# KiCad board V1.1_version_control_final.kicad_pcb (continued)
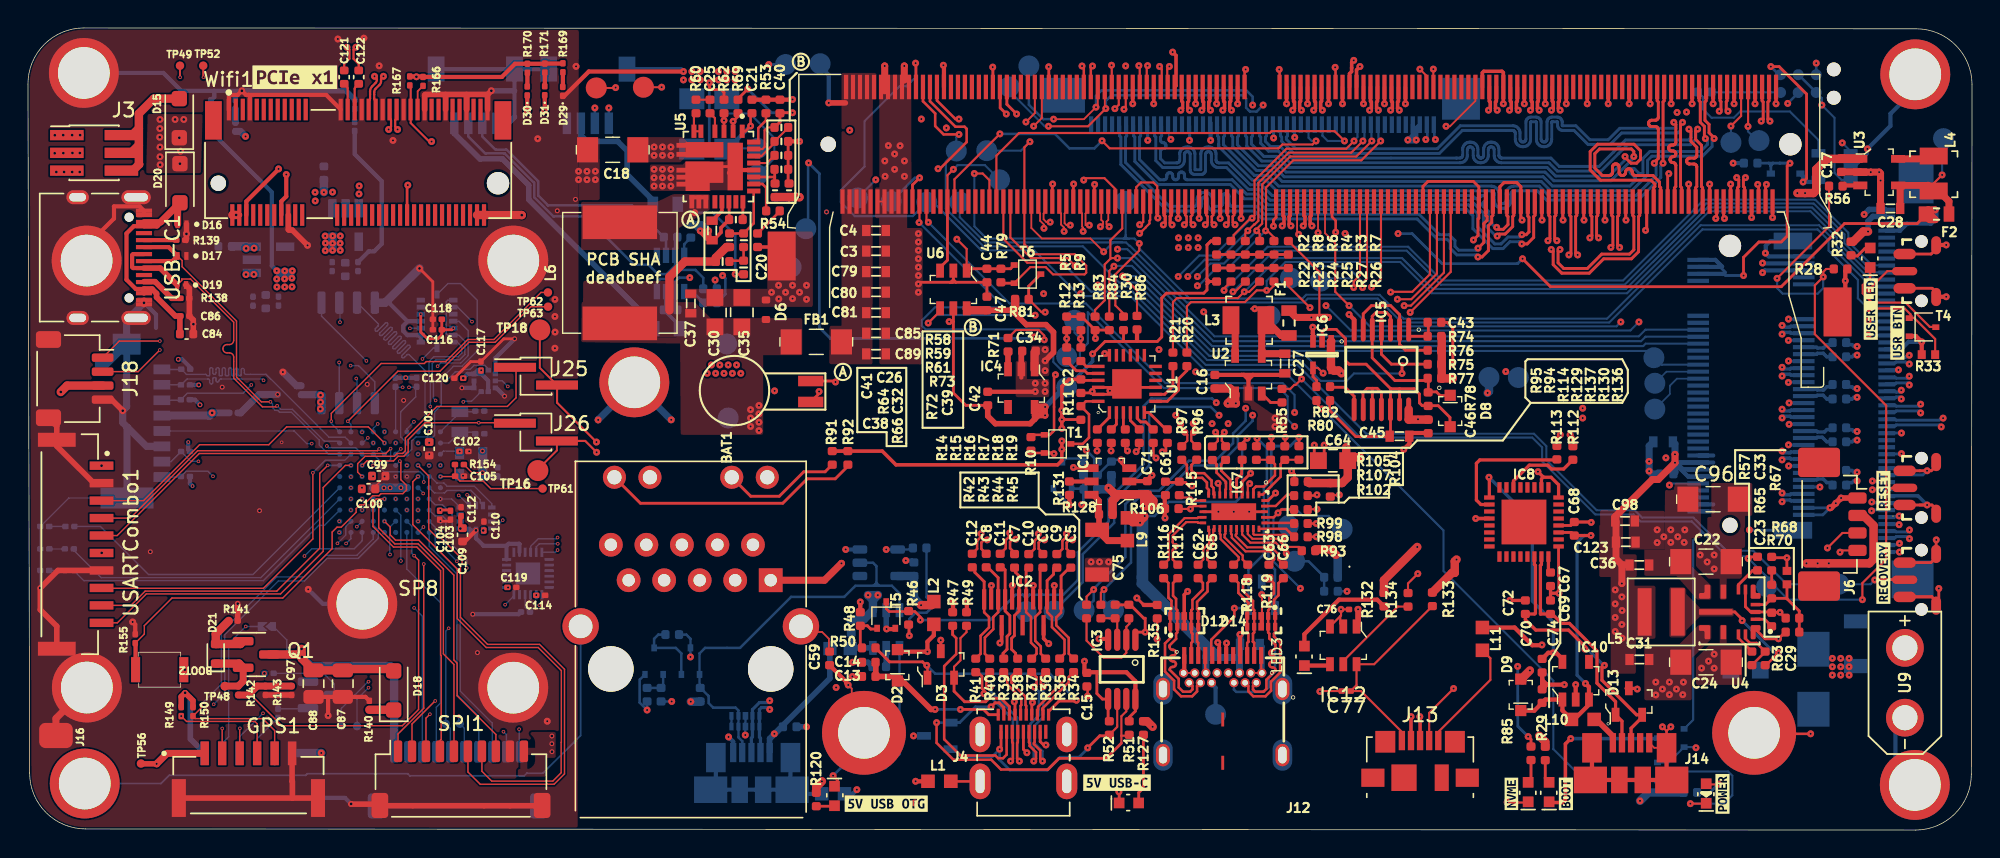
[diagram p0: board, top side]
## Nets (continued)

## Via types
v1: diameter 0.5, hole 0.15, Top to Bottom, 805 vias
v2: diameter 0.5, hole 0.2, Top to Bottom, 44 vias
v3: diameter 0.35, hole 0.2, Top to Bottom, 39 vias
v4: diameter 0.25, hole 0.15, Top to Bottom, 134 vias

## Routing (per net, layer and track width the routed paths; a pad name or vN(x,y) marks a point on that pad's centre or on a via; arc(x,y) is an arc through that point)
1V8_DBG: length 17.9
  Top w0.23: IC8.1 104.49,25.22 v1(104.47,25.25)
  Top w0.3: IC10.5 109.72,12.24 109.27,12.69 v1(109.07,12.69) 108.71,12.69 C72.2
  Bottom w0.23: v1(109.07,12.69) 109.07,14.89 107.57,16.39 107.57,22.15 v1(104.47,25.25)
1V8_SYS: length 95
  Top w0.15: U6.1 67.12,41.59 v1(66.42,42.29)
  Top w0.2: v1(63.02,13.91) 63,13.94 63,14.68 ; 84.99,42.15 84.58,42.15 84.31,41.88 ; 84.31,41.88 84.59,42.16 R2.2 ; 84.31,41.88 84.31,39.45 ; 84.31,39.45 84.31,39.25 ; 84.31,39.45 84.5,39.26 84.64,39.26 ; 84.31,39.25 84.31,39.26 84.64,39.26 ; 84.31,39.25 84.31,39.05 ; v1(76.13,34.08) 77.02,34.97 78.29,34.97 ; R22.2 84.64,39.26 ; 84.64,39.26 84.51,39.26 84.31,39.05 ; 78.29,34.97 78.34,35.02 78.34,35.56 ; 78.29,34.97 80.75,34.97 81.07,35.29 81.07,38.09 81.41,38.43 84.08,38.43 84.31,38.65 84.31,39.05 ; U6.1 67.25,40.17 C44.2 R79.1 70.25,40.17 T6.1 ; U6.5 66.17,36.39 ; 66.17,36.39 66.17,31.29 67.06,30.4 C42.1 ; 66.17,36.39 v1(65.87,36.39)
  Top w0.3: 79.3,35.02 79.3,35.84
  Top w0.4: 71.98,29.7 71.98,30.28 72.13,30.28 v1(72.73,29.68) ; 71.98,29.7 71.98,29.4 ; 71.98,29.7 71.99,29.68 v1(72.73,29.68) ; v1(72.73,29.68) 72.26,29.68 71.98,29.4 ; v1(72.73,29.68) v1(72.73,30.28) ; 71.98,29.4 71.66,29.08 69.18,29.08 68.63,29.63 C42.1
  Top w0.5: 71.98,30.28 v1(72.73,30.28)
  In2.Cu w0.15: v1(66.42,42.29) 66.42,36.94 v1(65.87,36.39)
  In5_3V3_SYS_SIGNAL.Cu w0.5: v1(72.73,29.68) 72.73,28.63 ; 74.42,14.24 63.35,14.24 v1(63.02,13.91) ; 74.42,14.24 75.11,14.24 ; 74.42,14.24 75.03,14.24 75.37,14.58 ; 75.27,14.49 75.37,14.58 ; 75.37,14.58 75.37,21.14 72.73,23.78 72.73,28.63 ; 72.73,28.63 v1(72.73,30.28)
  Bottom w0.18: R111.1 64.25,16.66 64.46,16.45 64.46,15.76 64.26,15.56 63.47,15.56 63.02,15.11 v1(63.02,13.91)
  Bottom w0.25: v1(76.13,34.08) 76.13,33.55 TP37.1
  Bottom w0.4: TP37.1 74.13,31.69 v1(72.73,30.28)
3V3_FFC1: length 35.5
  Top w0.15: R7.2 92.34,39.94 92.34,36.72 v1(92.37,36.69)
  Top w0.5: v1(91.77,36.69) v1(92.97,36.69) ; v1(92.97,36.69) 90.66,36.69 F1.2 ; v1(92.97,36.69) v1(92.37,36.69)
  In2.Cu w0.4: v1(99.27,49.39) 99.15,49.3 ; 93.63,37.36 93.17,36.9
  In2.Cu w0.5: 93.17,36.9 93.63,37.36 93.63,37.84 93.95,38.16 96.26,38.16 96.81,38.71 96.81,40.36 99.06,42.61 99.06,48.82 ; 99.06,48.82 99.06,49.22 v1(99.27,49.39) ; 99.06,48.82 99.06,49 v1(98.67,49.39) 99,49.39 ; 93.47,37.19 92.96,36.69 v1(91.77,36.69)
  Bottom w0.25: v1(99.27,49.39) 99.06,49.62 99.06,50.4
  Bottom w0.3: v1(98.67,49.39) 99.02,49.74 J1.47 ; J1.48 99.27,50.24 v1(99.27,49.39)
  Bottom w0.5: v1(99.27,49.39) v1(98.67,49.39)
3V3_FFC2: length 63.8
  Top w0.15: v1(91.67,37.39) 90.12,38.94 R26.2
  Top w0.2: v1(106.87,40.89) 108.87,38.89 125.37,38.89 129.89,43.41 135.09,43.41 135.67,43.99 136.07,43.99
  Top w0.5: v1(136.37,44.39) 135.88,44.39 ; 135.88,44.39 F2.1 135.98,43.69 v1(136.37,43.69) 135.88,44.18 135.88,44.39
  In2.Cu w0.2: v1(91.67,37.39) 91.67,38.09 96.27,42.69 v1(97.97,42.69)
  Bottom w0.2: v1(106.87,40.89) 106.52,40.54 101.12,40.54 98.97,42.69 v1(97.97,42.69)
  Bottom w0.3: J2.47 133.86,42.9 ; 133.86,42.9 133.86,43.28 133.98,43.4 J2.48 134.36,43.4 ; 133.86,42.9 134.36,43.4 ; 134.36,43.4 136.08,43.4 v1(136.37,43.69)
  Bottom w0.5: v1(136.37,44.39) v1(136.37,43.69)
3V3_SYS: length 205.1
  Top w0.15: v1(85.1,24.82) 85.22,24.69 IC7.8
  Top w0.2: 57.51,27.12 58.63,27.12 ; 74.27,36.74 75.34,36.74 76.3,35.78 77.32,35.78 ; 81.36,24.88 82.76,24.88 83.01,24.63 v1(83.24,24.63) ; 77.74,16.12 78.82,16.12 79.78,15.16 79.89,15.16 v1(79.89,14.17) 79.18,14.17 79.18,13.62 ; R11.1 75.27,29.38 v1(73.93,29.38) ; R85.2 107.47,6.49 v1(107.27,6.69) ; 125.73,14.25 v1(125.17,13.69) 124.2,13.69 U4.1 ; R67.1 125.77,18.56 v1(125.77,19.49) 124.75,19.49 C33.1 124.77,19.55 ; v1(125.99,47.73) 125.79,47.53 125.79,42.51 125.37,42.09 123.77,42.09 122.67,40.99 v1(122.67,39.69) ; U1.21 75.36,32.18 C2.1
  Top w0.25: v1(73.93,27.85) v1(73.93,27.25) 73.93,26.45 73.62,26.14 62.07,26.14 61.09,27.12 R92.1 R91.2 ; v1(73.93,28.75) v1(73.93,29.38) v1(73.93,30.05) 73.93,31.75 74.43,32.25 C2.1 ; R83.2 76.3,35.21 v1(76.33,35.18)
  Top w0.3: R169.2 38.23,54.86 R171.2 36.95,54.84 R170.2 34.83,54.84 33.89,53.9 R166.1 28.21,53.94 27.8,53.94 v2(27.78,53.92) 27.75,53.94 R167.1
  Top w0.4: v2(14.89,44.03) 15.11,44.03 15.12,44.02
  Top w0.5: 113.97,18.99 113.55,19.41 C123.1 113.55,22.07 C98.1 113.5,22.44 116.15,25.09 116.57,25.09 v1(117.77,26.29) v1(117.77,26.89) ; 113.97,18.99 114.5,18.99 C36.1 ; 113.97,18.99 v1(113.97,17.65)
  Top w0.6: Wifi1.72 Wifi1.74 ; 32.62,44.02 35.3,44.02 v2(35.31,44.01) ; v2(14.89,44.03) 14.69,44.03 14.68,44.02 14.62,44.02
  In3_SIGNAL.Cu w0.4: v2(27.78,53.92) 26.18,52.32 21.08,52.32 21.08,51.26 14.89,45.07 v2(14.89,44.03)
  In5_3V3_SYS_SIGNAL.Cu w0.2: v1(125.17,13.69) 125.77,14.29 v1(125.77,19.49) 124.97,20.29 119.07,20.29 116.43,17.65 v1(113.97,17.65) ; v1(106.52,11.71) 106.52,18.14
  In5_3V3_SYS_SIGNAL.Cu w0.6: v2(14.89,44.03) 36.15,44.03 48.74,31.44 v1(53.39,31.44)
  Bottom w0.2: v1(125.99,47.73) 125.26,47.73 125.25,47.73 ; 124.78,47.73 124.62,47.58 124.62,47.54 ; 124.78,47.73 125.25,47.73 ; 124.78,47.73 124.48,47.73 ; 125.25,47.73 125.68,47.73 ; 124.62,47.54 124.62,47.59 124.48,47.73 ; 124.62,47.54 D1.A ; 120.99,40.31 121.37,39.93 121.37,39.69 v1(122.67,39.69) ; v1(107.27,6.69) 106.53,7.43 v1(106.52,11.71) ; 124.48,47.73 C1.2
  Bottom w0.25: F4.1 46.56,36.14 C48.2 45.62,37.4 U7.3
  Bottom w0.3: 119.98,25.29 119.99,25.28 ; J7.16 118.06,26.31 117.96,26.21 118.36,25.81 J7.14 118.2,25.81 117.72,26.29 ; J7.16 120.5,26.31 ; J7.16 117.74,26.31 117.72,26.29 ; J7.74 120.66,40.81 121.14,40.33 121.12,40.31 J7.72 ; J7.70 121.17,39.81 121.19,39.8 ; J7.18 120.5,26.81 ; 120.5,25.31 J7.12 119.29,25.31 119.27,25.29 118.72,25.29 117.72,26.29 ; J7.4 120.5,23.31 ; J7.2 120.5,22.81
  Bottom w0.5: C58.2 117.77,25.6 v1(117.77,26.29) ; C57.2 117.77,27.64 v1(117.77,26.89)
  vias: v1(113.49,17.19) v1(113.49,16.19) v1(113.49,15.21) v1(113.49,14.21) v1(113.97,16.69) v1(113.99,15.72) v1(113.97,14.71) v1(113.99,13.74)
5V0_DBG: length 22.1
  Top w0.2: IC8.19 110.35,21.3 C68.2
  Top w0.23: v1(111.76,21.09) 111.75,21.08 C68.2
  Top w0.3: 106.87,8.55 107.71,8.55 C74.2 108.5,9.34 IC10.1 109.72,8.56 L10.2 110.56,7.92 111.62,8.97 IC10.3 111.62,10.24 v1(111.37,10.49)
  Bottom w0.23: v1(111.76,21.09) 111.27,21.09 110.77,20.59 110.77,11.09 v1(111.37,10.49)
5V0_SYS: length 133.8
  Top w0.2: v1(89.21,24.12) 88.67,23.58 IC7.30
  Top w0.4: 70.28,37.2 70.55,37.2 70.58,37.23 70.58,37.37 70.41,37.2 ; 70.28,37.2 C47.2 ; 70.28,37.2 70.41,37.2 ; 70.41,37.2 70.58,37.03 70.58,36.97 ; v1(72.73,33.58) 73.33,34.19 73.33,35.64 72.79,36.17 71.38,36.17 70.58,36.97 ; 70.58,36.97 70.58,37.47 ; IC12.1 95.11,14.68 v1(95.11,15.8) ; v1(9.2,4.74) 8.1,4.74 TP56.1
  Top w0.5: GPS1.1 9.95,5.49 v1(9.2,4.74)
  Top w0.6: 92.05,20.09 93.13,20.09 v1(93.52,19.7) ; v1(108.06,6.74) 108.49,6.31 108.49,5.96 ; L2.1 64.81,16.39 64.85,16.35 64.6,16.1 v1(63.86,16.1) ; 94.12,26.69 95.24,26.69 ; 94.1,26.38 94.26,26.55 v1(94.26,27.4) ; 94.17,26.31 94.19,26.29 ; IC5.14 98.73,29.38 100.16,29.38 ; v1(101.88,32.33) 101.09,32.33 101.09,35.34 ; IC6.1 93.17,34.96 93.17,33.09 IC6.5 93.38,32.89 93.72,32.89 v1(93.92,32.69) ; C16.1 85.95,31.6 U2.1 ; U2.1 86.32,31.07 v1(85.79,30.54) v1(86.37,30.54) 86.32,30.59 U2.1 ; v2(3.16,49.74) J3.1 v2(2.52,49.74) 2.75,49.74 ; R105.1 91.62,24.84 R104.1 93.97,24.84 94.37,25.24 C64.2 ; J6.2 131.24,22.51 131.97,21.79 131.97,19.39 131.67,19.09 v1(128.77,19.09) v1(127.97,19.09) v1(127.17,19.09) ; v1(107.39,11.42) 106.87,10.9 106.87,10.73 ; v1(131.58,42.84) 131.24,42.84 130.5,42.1 130.36,42.1 ; v2(2.35,31.36) 2.8,31.81 J18.3 ; v1(80.42,7.39) 80.02,7.79 R127.2 ; v1(126.52,45.59) v1(127.07,45.59) 127.67,45.59 127.87,45.79 127.87,47.29 128.62,48.04 U3.1 130.98,48.07 C17.1 ; R81.2 70.58,37.37 ; R64.1 49.95,41.73 49.18,40.96 C38.1 46.97,40.69 45.87,39.59 45.87,37.19 ; C71.1 80.47,23.57 v1(80.47,23.19) ; C71.1 79.82,23.79 v1(79.82,23.19) ; C71.1 80.01,24.03 78.5,24.03 ; v1(80.47,23.19) v1(79.82,23.19) ; v1(80.47,23.19) 80.04,23.62 ; v1(79.82,23.19) 80.04,23.41 80.04,23.92 80.04,23.62 ; 71.98,32.98 71.98,34.2 ; v1(56.77,3.49) 56.37,3.09 56.37,2.67 ; 80.04,23.62 80.04,23.92 ; 77.67,24.09 v1(77.27,24.49) ; 77.67,24.09 77.72,24.04 77.72,23.74 ; 77.67,24.09 77.73,24.03 78.5,24.03 ; 78.5,24.03 78.01,24.03 77.72,23.74 ; 77.72,23.74 77.55,23.57 R128.1 ; R133.1 101.83,18.41 102.02,18.41 102.02,19.23 v1(102.15,19.36) ; R132.2 96.96,17.88 v1(99.34,20.26) ; R72.1 C39.2 55.15,45.3 v1(55.17,45.29) ; U6.6 67.25,37.2 C47.2
  In1.Cu w0.4: v1(15.56,49.65) 13.36,51.84 6.36,51.84 4.26,49.74 v2(3.73,49.74)
  Bottom w0.2: v1(99.95,49.42) 100.06,49.53 100.06,50.4 ; v1(100.64,49.42) 100.56,49.5 100.56,50.4
  Bottom w0.4: v1(131.3,44.06) 131.65,44.42 132.77,44.42 ; v1(131.58,42.84) 131.58,43.58 131.91,43.92 132.77,43.92
  Bottom w0.5: D24.2 15.2,50.01 v1(15.56,49.65)
  Bottom w0.6: v1(60.77,16.81) 60.67,16.81 60.42,16.56 60.17,16.81 v1(60.07,16.81) ; v1(60.77,16.81) 60.42,16.46 ; v1(60.77,16.81) v1(60.07,16.81) ; v1(104.37,31.29) 104.47,31.39 TP41.1 ; 60.42,16.46 v1(60.07,16.81) ; 60.42,16.46 IC9.1 59.75,15.07 R122.1 ; v1(115.27,2.09) 115.87,2.69 R31.2 ; U8.5 C60.2 63.35,16.61 v1(63.86,16.1) ; R108.2 48.05,9.19 v1(47.39,9.19) ; v1(93.52,19.7) 93.65,19.57 R100.2 ; RC1.1 18.89,5.51 20.96,5.51 v1(20.97,5.52) ; R125.2 77.47,24.69 v1(77.27,24.49) 77.17,24.39 R121.2
  vias: v1(51.67,30.09) v1(51.67,29.49) v1(51.67,28.89) v1(52.27,30.39) v1(52.27,29.79) v1(52.27,29.19) v1(52.27,28.59) v1(72.73,34.38) v1(72.73,32.88) v1(95.22,26.69) v1(99.39,29.41) v2(1.91,48.44) v2(1.92,49.73) v2(2.03,47.1) v2(2.53,48.45) v2(2.58,47.1) v2(3.18,48.46) v2(3.16,47.1) v2(3.71,48.46) v2(3.7,47.1) v2(5.26,26.08) v2(5.27,19.84) v3(37.46,6.73) v3(37.46,6.18) v3(37.47,5.61)
/NextPx4/VBUS: length 17.5
  Top w0.3: USB-C1.B4 7.72,38.72 7.04,39.39 7.04,42.7 7.57,43.22 USB-C1.B9
  Top w0.4: C84.1 10.86,36.75 C86.1 10.54,36.79 9.2,38.13 9.2,38.4 8.87,38.72 USB-C1.B4 8.3,38.45 ; 10.7,44.73 D20.2 ; 8.32,43.25 9.22,43.25 9.49,43.52 USB-C1.A4
  Top w0.5: D16.2 10.7,44.73 ; 9.49,43.52 D20.2
/Supply/3V3_EN: length 2
  Top w0.2: 123.58,18.58 123.33,18.58 122.31,17.56 U4.7
/Supply/3V3_FB: length 6.2
  Top w0.2: R70.2 126.65,15.68 125.78,16.55 ; 125.78,16.55 125.75,16.58 R65.2 124.24,16.14 U4.4 ; 125.78,16.55 R67.2
/Supply/3V3_R_C_BOOT: length 3.5
  Top w0.18: R63.2 124.22,12.75 C29.2 123.6,13.39 123.12,13.39 122.81,13.7 U4.14
/Supply/3V3_SW: length 7
  Top w0.18: v1(125.17,12.69) 124.43,11.95 124.22,11.95
  Top w0.2: U4.10 122.05,15.61 122.57,15.09 v1(122.57,14.99)
  Bottom w0.2: v1(125.17,12.69) 124.87,12.69 v1(122.57,14.99)
/Supply/3V3_VCC: length 1.4
  Top w0.2: C23.1 124.18,15.09 U4.2
/Supply/3V3_VIN:
  vias: v1(119.57,19.69) v1(119.67,11.59) v1(120.07,19.19) v1(120.17,12.09) v1(120.57,19.69) v1(120.57,18.69) v1(120.57,12.59) v1(120.57,11.59)
/Supply/5V_BOOT: length 1.4
  Top w0.15: U5.4 49.12,50.95 C25.1
/Supply/5V_COMP: length 2.7
  Top w0.18: R54.1 52.78,45.97 52.52,46.24 51.89,46.24
/Supply/5V_EN: length 9.2
  Top w0.15: R62.1 v1(49.77,50.79) U5.3
  Bottom w0.15: TP32.1 53.37,48.09 53.37,49.53 51.61,51.29 49.92,51.29 49.77,51.14 v1(49.77,50.79)
/Supply/5V_FB: length 5.2
  Top w0.15: R72.2 53.42,46.74 ; 53.42,46.74 52.72,46.74 ; 53.42,46.74 53.42,47.25 R73.1 ; 52.72,46.74 52.83,46.74 ; 52.72,46.74 51.89,46.74
  Top w0.18: R73.1 53.38,46.7 ; 53.38,46.7 53.35,46.74 51.89,46.74 ; 53.38,46.7 53.38,46.31 R72.2
/Supply/5V_FSW: length 1.7
  Top w0.15: 51.89,47.74 52.83,47.74 R61.1
/Supply/5V_ILIM: length 3.4
  Top w0.15: 51.89,48.24 52.44,48.24 53.38,49.18 R59.1 54.35,50.26 R58.1
/Supply/5V_MODE: length 2.6
  Top w0.18: R53.1 52.77,50.79 52.22,50.24 52.22,49.24 51.89,49.24
/Supply/5V_PHASE: length 1.9
  Top w0.15: U5.5 U5.6 47.62,51.15 R60.2
/Supply/5V_SNS: length 2
  Top w0.18: C38.2 50.21,40.75 R66.2 C32.1
/Supply/5V_SS: length 1.3
  Top w0.2: C26.1 51.12,43.7 51.12,44.96
/Supply/5V_SW: length 7
  Top w0.18: R66.1 50.58,39.78 v1(50.57,39.79)
  Bottom w0.18: v1(47.67,44.19) 48.97,44.19 50.57,42.59 v1(50.57,39.79)
/Supply/5V_VIN: length 13
  Top w0.18: C21.1 51.67,51.2 v1(51.67,50.39) 51.29,50.01 U5.1
  Top w0.2: v1(48.72,53.49) 48.72,53.14 48.87,52.99 49.57,52.99 49.77,52.79 R62.2
  Bottom w0.15: FB2.2 50.02,48.79 TP30.1
  Bottom w0.2: v1(48.72,53.49) 48.72,48.89
  Bottom w0.3: v1(51.67,50.39) 50.02,48.74 FB2.2
  vias: v1(44.77,48.89) v1(44.77,48.29) v1(45.37,48.89) v1(45.37,48.29) v1(45.97,48.89) v1(45.97,48.29)
/Supply/VDD_5V_DCDC: length 9.9
  Top w0.15: 51.89,48.74 52.52,48.74 52.67,48.89 52.67,50.09 52.87,50.29 R58.2
  Top w0.2: R58.2 53.77,50.67 C40.1 53.8,51.34 v1(54.67,51.34) ; v1(51.47,53.04) 50.77,52.34 R69.1
  Bottom w0.2: v1(54.67,51.34) 53.17,51.34 v1(51.47,53.04)
GND: length 652
  Top w0.1: C99.1 24.83,24.61 C100.1
  Top w0.125: v1(58.65,10.38) 58.9,10.13 58.9,8.19 60.13,6.96 ; J14.S 116.29,5.89 J14.5 ; M1.250 M1.248 ; v1(90.86,42.64) 90.75,42.75 M1.138 ; 92.25,42.76 M1.132 ; J12.B1 J12.Shell ; J12.B12 J12.Shell
  Top w0.15: 88.22,15.37 88.24,15.38 88.24,16.62 ; J12.A12 88.18,11.29 J12.B1 ; v1(117.47,7.39) 117.17,7.09 J14.S 117.17,7.09 v1(116.87,7.39) ; v1(101.94,10.13) 100.19,8.38 J13.4 ; C77.2 92.41,9.95 v1(92.38,9.92) ; 93.84,15.31 93.84,14.78 IC12.2 ; 93.84,15.31 93.89,15.36 v1(93.89,15.8) 94.45,15.8 C76.2 ; 93.84,15.31 IC12.3 ; v1(99.38,18.35) 98.68,17.65 R134.2
  Top w0.152: M1.176 79.25,46.01 79.59,46.35 80.47,46.35 80.75,46.08 80.75,45.68
  Top w0.18: v1(127.47,6.89) 123.5,6.89 SP4.1 ; T1.2 71.88,26.99 R10.1 ; v1(75.77,9.59) 75.77,10.23 C15.1 ; R107.1 92.12,23.94 v1(92.17,23.99) ; v1(76.99,34.11) 77.11,33.98 U1.18 ; 76.55,18.19 C75.1
  Top w0.2: 82.25,43.78 82.25,43.78 82.25,44.98 ; v1(136.45,20.77) 136.44,20.77 REC1.SH1 136.44,19.51 136.07,19.14 REC1.3 ; M1.102 99.75,44.99 99.75,46.07 100.1,46.42 103.36,46.42 103.75,46.03 103.75,43.79 103.69,43.73 103.69,42.56 v1(103.36,42.23) ; v1(89.06,43.22) 89.06,43.66 89.25,43.85 M1.144 ; M1.32 117.25,47.01 ; 76.13,31.57 76.13,31.44 75.98,31.29 75.29,31.29 ; 76.99,34.09 v1(76.99,34.11) ; 101.88,33.35 101.88,35.93 101.48,36.34 101.09,36.34 ; IC2.2 73.37,17.49 v1(73.39,17.5) ; IC2.5 71.87,17.49 v1(71.89,17.5) ; IC2.8 70.37,17.49 v1(70.39,17.5) ; v1(68.89,17.5) 68.87,17.49 IC2.11 ; 69,53.18 69,54.61 ; IC7.13 IC7.28 ; 73,53.18 73,54.62 v1(72.99,54.63) ; v1(91.98,27.55) 91.98,26.75 92.35,26.38 92.69,26.73 v1(92.69,27.55) ; 98.79,28.16 99.04,28.42 ; RST1.1 v1(135.8,23.27) ; 66.17,39.39 66.17,39.27 66.1,39.2 ; 66.17,39.39 U6.2 ; 66.17,39.39 65.98,39.2 65.93,39.2 ; 66.17,39.39 66.35,39.2 ; 125.68,15.17 125.68,15.17 v1(125.28,15.58) 124.71,15.58 C23.2 124.63,15.61 U4.3 123.18,15.61 122.81,15.99 U4.6 ; U5.9 48.58,47.49 U5.28 ; 66.35,39.2 C44.1 C47.1 ; 66.35,39.2 66.1,39.2 ; C120.2 30.48,32.36 31.66,33.53 C117.1 34.02,35.16 v3(34.8,35.16) ; 65.93,39.2 66.1,39.2 ; 65.93,39.2 63.78,39.2 v1(63.67,39.09) ; RST1.SH2 136.44,22.97 136.14,23.27 135.25,23.27 ; v1(79.29,16.61) 79.78,16.12 79.78,16.12 ; v1(136.63,17.29) 136.63,16.25 REC1.SH2 136.44,16.39 136.13,16.7 ; U1.22 78.33,31.68 U1.25 ; 134.19,16.7 136.13,16.7 ; 136.13,16.7 136.12,16.69 REC1.1 ; v4(29.5,22.11) 30.1,22.11 C103.2 ; U1.25 78.83,31.68 U1.9 ; U1.25 77.83,31.18 U1.23 ; C68.1 110.32,21.8 IC8.20 ; USR1.SH2 136.44,38.49 136.16,38.78 USR1.1 ; v1(109.47,16.95) 109.47,18.17 109.44,18.2 IC8.17 ; C39.1 54.35,46.34 R59.2 ; RST1.SH1 136.44,26.06 136.1,25.72 135.28,25.72 RST1.3 ; BAT1.- 56.57,31.24 v1(56.57,31.39) ; 50.12,44.96 50.13,44.95 C26.2 ; 65.27,12.84 65.27,13.61 ; v1(73.27,46.24) 73.25,46.22 M1.200 ; 30.14,22.11 30.25,22.21 ; USR1.3 136.08,41.23 136.44,41.59 USR1.SH1 ; C116.2 C118.2 28.95,39.24 v2(28,40.2)
  Top w0.22: 108.25,43.68 108.25,44.98 ; 111.25,43.68 111.25,44.98 ; 112.75,43.68 112.75,44.98 ; 114.25,43.68 M1.44 ; v1(109.77,43.66) 109.75,43.68 M1.62 ; 115.75,44.98 115.75,43.01 v1(115.66,42.92) ; M1.26 118.75,46.23 v1(118.75,46.23) ; M1.20 120.25,46.23 ; M1.14 121.75,46.23 ; M1.8 123.25,43.84 v1(123.25,43.84) ; v1(124.75,43.84) 124.75,43.84 M1.2 ; v1(106.84,43.66) 106.75,43.74 106.75,46.05 106.45,46.34 105.55,46.34 105.25,46.04 M1.80
  Top w0.23: v1(107.97,25.65) 108.34,25.28 108.34,25.25 ; v1(115.07,10.09) 115.02,10.14 114.27,10.14 ; C70.1 105.96,16.43 v1(105.96,16.44) ; 108.34,25.25 108.22,25.13 108.22,24.52 ; 108.34,25.25 108.91,25.25 109.44,24.71 IC8.24 ; 108.87,16.95 C69.1 ; 108.87,16.95 C67.1 ; 108.87,16.95 v1(109.47,16.95) ; C68.1 111.75,22.05 v1(111.78,22.02) ; v1(73.36,26.94) 73.31,26.99 T1.2
  Top w0.25: v1(83.75,43.78) 83.75,44.98 ; 85.25,43.78 85.25,44.98 ; 86.75,43.78 86.75,44.98 ; 98.5,51.98 98.5,53.18 ; 97,51.98 97,53.18 ; 95.5,51.98 95.5,53.18 ; 94,51.98 M1.125 ; 93,51.98 M1.129 ; 91.5,51.98 M1.135 ; 90,51.98 M1.141 ; 83.5,51.98 83.5,53.18 ; 85,51.98 M1.153 ; 86.5,51.98 86.5,53.18 ; 79,51.98 79,53.18 ; 80.5,51.98 80.5,53.18 ; 125,51.98 M1.1 ; 123.5,51.98 M1.7 ; 122,51.98 M1.13 ; 120.5,51.98 M1.19 ; 119,51.98 M1.25 ; 117.5,51.98 117.5,53.18 ; 116,51.98 116,53.18 ; 114.5,51.98 114.5,53.18 ; 113,51.98 113,53.18 ; 111.5,51.98 111.5,53.18 ; 110,51.98 110,53.18 ; 108.5,51.98 108.5,53.18 ; 105.5,51.98 105.5,53.18 ; 107,51.98 107,53.18 ; 80.75,43.78 80.75,44.98 ; v1(82.92,17.08) 82.68,16.84 D12.3 ; C20.1 53.25,41.73 53.9,41.08 ; 104,53.18 104,54.21 104.1,54.31 105.4,54.31 105.5,54.21 M1.79 ; IC8.4 v1(103.52,22.3) ; v1(81.85,55.68) 82.09,55.44 82.09,53.28 82,53.18 ; C41.2 48.99,42.21 49.55,42.77 49.55,43.11 C26.2
  Top w0.3: v1(108.26,13.25) 108.23,13.23 107.57,13.23 106.3,14.49 L11.1 ; v1(67.14,16.3) 67.14,15.61 67.11,15.59 ; 59.52,15.59 v1(59.52,16.33) ; v1(61.4,14.4) 61.41,14.38 61.99,14.38 ; 129.4,37.08 129.95,37.64 v1(129.95,39.31) 129.95,40.01 R28.2 ; v1(94.47,36.9) 94.83,36.54 IC5.7 ; R33.2 v1(135.41,34.94) 134.99,35.36 134.61,35.36 ; USR1.SH2 136.46,38.17 v1(137.16,38.17) ; USR1.SH1 136.47,41.88 v1(137.16,41.88) ; 98.79,28.16 98.78,28.16 98.78,27.65 v1(98.38,27.25) ; 81.36,23.92 81.28,23.85 81.28,22.27 ; v1(74.47,23.27) 74.47,23.77 ; 82.68,11.14 J12.A1 ; 88.22,14.6 88.22,15.37 ; v1(76.58,13.68) 77.18,13.68 IC3.4 ; v1(66.14,16.27) 66.14,15.61 66.12,15.59 ; 99.04,28.42 100.16,28.42 ; 80.75,16.11 79.8,16.11 79.78,16.12 ; J14.S 117.17,3.96 J14.S J14.S J14.S J14.S 111.83,3.7 J14.S ; 110.67,9.33 v1(110.67,10.41) ; v1(58.97,12.01) 59.66,12.01 ; v1(58.95,10.99) 59.66,10.99 ; C21.2 C40.2 54.65,52.27 v1(54.67,52.29) ; 11.33,42.14 R139.1 ; R155.1 7.67,14.71 v1(7.49,14.9) ; v1(21.46,8.19) 21.46,9.52 21.47,9.53 ; v1(91.87,35.99) 91.87,35.56 91.89,35.54 IC6.3 ; 15.79,52.62 15.87,52.55 15.87,51.57 ; 15.79,52.62 15.58,52.62 v2(15.29,52.91) 15,52.62 14.44,52.62 14.37,52.55 14.37,51.57 ; 15.79,52.62 21.32,52.62 22.37,51.57 ; C27.2 89.75,32.57 87.58,32.57 ; v1(65.45,54.74) 65.5,54.7 65.5,53.18 ; 51.89,47.24 50.82,47.24 U5.28 50.12,47.04 ; C16.2 86.78,32.57 ; 86.78,32.57 86.95,32.57 87.27,32.26 ; 86.78,32.57 87.58,32.57 ; v1(46.87,54.29) 40.1,54.29 38.36,52.55 D29.1 ; 87.27,32.26 U2.2 ; 87.27,32.26 87.58,32.57 ; 108.6,10.41 108.29,10.41 108.27,10.39 ; 108.6,10.41 v1(109.86,10.41) ; 108.6,10.41 C74.1 108.27,10.39 ; 108.6,10.41 108.55,10.41 108.27,10.69 ; 108.6,10.41 108.27,10.74 108.27,10.89 ; 71.03,32.98 71.03,32.38 ; L1.1 v1(63.47,3.49) ; C72.1 108.27,10.89 ; 108.27,10.89 108.27,10.69 ; 8.3,44.05 USB-C1.A1 7.98,44.64 6.15,44.64 6.15,43.77 4.19,41.81 ; v1(58.65,10.38) 58.5,10.53 58.5,10.62 C59.2 ; C42.2 72.01,31.37 v1(72.03,31.38) ; 21.47,9.53 C88.2 ; 21.47,9.53 C87.2 24.13,9.53 R140.2 ; 108.27,10.69 108.27,10.39 ; 78.51,24.97 C71.2 80.04,25.06 v1(80.37,25.39) ; v3(32.04,21.45) 31.24,20.65 C109.1 ; R59.2 v1(55.17,49.29)
  Top w0.4: 36.77,1.74 25.17,1.74 25.05,1.86 23.12,1.86 v3(23.11,1.87) 23.09,1.86 ; USARTCombo1.2 4.71,24.83 2.06,27.48 USARTCombo1.S1 2.06,28.91 J18.MP ; v2(6.78,30.02) 5.98,30.81 J18.4 ; v2(11.33,42.67) 11.34,42.67 ; v2(11.33,42.67) 11.34,42.67 D16.1 ; v2(11.33,42.67) 11.33,42.31 R139.1 ; USARTCombo1.S2 2.06,14.59 0.88,15.77 v3(0.88,17.32) 2.14,18.58 USARTCombo1.7 ; 32.87,52.65 v2(33.14,52.92) ; 32.87,52.65 32.87,51.57 ; 32.87,52.65 32.86,52.65 31.41,52.65 31.37,52.6 31.37,51.57 31.37,52.59 31.31,52.65 29.91,52.65 29.87,52.6 ; C97.2 17.89,9.67 v3(17.87,9.65) 17.85,9.67 R143.2 ; J6.1 v1(129.64,23.76) 128.94,23.06 v1(128.85,23.06) ; 28.37,51.57 28.37,52.6 28.41,52.65 29.82,52.65 29.87,52.6 ; 18.91,2.29 GPS1.S2 ; 18.91,2.29 GPS1.S1 ; 18.91,2.29 18.91,2.29 18.91,3.48 18.89,3.5 18.89,5.73 ; 18.62,44.02 18.62,42.99 18.66,42.94 18.9,42.94 v1(19.99,41.85) ; 11.31,39.02 D19.1 11.54,38.77 R138.1 C86.2 11.82,36.51 11.82,36.22 v3(11.83,36.21) 11.82,36.2 C84.2 ; 29.87,52.6 29.87,51.57 ; R141.2 v3(15,16.21) ; v1(48.07,42.89) 48.74,42.21 C41.2 48.67,42.46 v1(48.67,42.89) ; 4.19,41.81 SP11.1 ; USB-C1.B1 USB-C1.A12
  Top w0.406: 71.03,32.98 71.03,34.22
  Top w0.5: 62.65,53.68 62.66,53.7 v1(62.66,54.69) ; J16.1 2,7.99 SP12.1 ; C17.2 131,47.1 U3.2 v1(131.77,47.09) v1(132.37,47.09) 132.47,46.99 v1(132.47,46.49) C28.2 ; 61.26,52.91 v1(61.26,54.69) ; v1(58.17,19.09) 56.96,17.88 J10.1
  Bottom w0.1: v3(0.88,17.32) R158.2 0.89,18.59 R157.2 0.88,20.13 R156.2 2.92,23.77 SDCard1.9 ; U24.11 30.3,23.7 v4(29.5,23.7)
  Bottom w0.125: 81.75,49.34 81.57,49.52 81.57,50.43
  Bottom w0.15: T3.2 117.32,4.84 T2.2 119.22,5.94 v1(119.27,5.89) ; TP40.1 106.16,32.39 v1(105.67,32.81)
  Bottom w0.18: C48.1 46.27,37.4 U7.2 46.27,39.25 46.56,39.54 v1(47.32,39.54) ; T9.2 73.32,24.42 v1(74.47,23.27) ; v1(88.22,16.86) 88.22,16.86 D11.3 ; R126.1 76.47,26.39 v1(75.67,27.19) ; v1(51.29,6.8) 51.29,7.39 D10.3 51.3,8.17 ; R101.1 v1(94.32,17.09) ; TP1.5 v1(127.87,54.89) ; T8.2 43.73,10.75 43.73,9.12 v1(44.27,8.59) R109.2
  Bottom w0.2: v1(123.09,21.48) 123.11,21.46 J7.SH1 ; v1(133.96,26.94) 133.94,26.92 132.77,26.92 ; v1(133.96,28.42) 133.96,28.42 132.77,28.42 ; J7.1 128.34,22.56 128.84,23.06 J7.3 ; v1(125.9,26.06) J7.15 ; 125.9,27.56 J7.21 ; v1(125.88,35.05) 125.89,35.06 J7.51 ; 125.9,36.56 J7.57 ; v1(125.89,33.57) 125.9,33.56 J7.45 ; 125.9,32.06 J7.39 ; v1(125.93,30.57) 125.94,30.56 J7.33 ; 125.9,29.06 J7.27 ; J7.9 128.1,24.56 ; v1(135.8,25.72) 135.5,25.42 132.77,25.42 ; D4.3 v1(63.32,6.74) ; IC1.2 130.61,47.48 131.53,48.4 v1(131.53,48.75) ; TP38.1 v1(52.97,54.79)
  Bottom w0.22: 89.06,50.4 89.06,49.54 v1(89.07,49.53) ; 132.77,32.92 133.73,32.92 ; 90.56,49.54 90.56,50.4 ; 80.07,49.53 80.06,49.54 80.06,50.4 ; 83.06,50.4 83.06,49.51 83.06,49.5
  Bottom w0.25: 132.77,23.92 135.14,23.92 v1(135.8,23.27)
  Bottom w0.3: J7.SH2 124.59,42.16 124.26,41.83 124.26,41.32 v1(124.23,41.29) 124.47,41.06 J7.75 ; v1(124.03,39.9) 124.19,40.06 J7.71 ; v1(124.03,40.58) 124.06,40.56 J7.73 ; v1(135.41,34.94) 134.47,34.94 133.95,34.42 132.77,34.42 ; v1(84.57,49.37) 84.56,49.37 84.56,50.6 ; 34.22,20.35 34.37,20.49 35.12,20.49 35.15,20.47 U26.20 ; 34.22,20.35 U26.18 ; 34.22,20.35 32.57,20.35 32.04,20.88 v3(32.04,21.45) U24.7 ; 13.33,52.91 v2(15.29,52.91) 14.83,52.44 R146.1 ; 13.33,52.91 13.33,52.48 R145.1 ; 13.33,52.91 10.96,52.91 9.68,54.19 SP5.1 ; C60.1 63.21,19.29 v1(62.77,19.29) ; U9.P$2 133.53,7.36 133.53,4.62 SP3.1 ; v3(34.08,31.06) 33.49,31.65 U27.5 ; 27.15,36.42 26.83,36.11 26.83,35.71 27.13,35.42 U25.6 U25.7 ; 27.15,36.42 U25.4 ; 27.15,36.42 27.13,36.42 25.67,37.87 ; J11.5 50.43,6.33 v1(50.09,6.66) ; v1(20.04,17.23) 21.07,16.2 SP8.1 ; 58.38,2.59 58.97,2.59 v1(59.27,2.89) ; C115.2 35.1,15.45 v3(31.81,15.45) ; J8.S2 J8.S1 ; J8.S2 J9.S1 37.59,54.81 ; J8.S2 34.79,51.04 ; 31.02,31.64 v3(31.03,31.65) 31.03,31.65 U27.8 U27.9 ; RC1.S2 RC1.S1 22.68,2.3 v3(23.11,1.87) 24.75,1.87 24.9,1.72 36.5,1.72 ; 16.57,22.87 v3(16.56,22.86) ; U27.3 33.42,33.78 v3(34.8,35.16) ; 134.21,8.42 134.12,8.51 ; 134.95,53.32 134.95,53.04 133.18,51.27 133.18,50.4 v1(131.53,48.75) ; C1.1 v1(121.93,47.73) ; U8.3 v1(58.47,20.08) ; 7.51,14.88 v1(7.49,14.9) ; 42.49,54.81 J9.S2 46.7,54.46 v1(46.87,54.29) ; 9.16,35.95 9.16,36.9 8.32,37.74 v3(8.3,37.74) 8.3,37.76 8.27,37.78 ; RC1.2 17.63,4.76 ; R144.1 23.37,52.31
  Bottom w0.4: J12.B1 88.23,13.13 C78.1 ; v1(48.07,42.89) 48.07,43.09 47.79,43.37 ; v1(48.07,42.89) v1(48.67,42.89) 48.19,43.37 47.79,43.37 ; v1(48.07,42.89) 47.59,43.37 R89.1 47.79,43.37 ; J8.4 34.34,50.59 34.79,51.04 ; v1(55.67,7.39) C73.1 ; v1(61.4,14.4) 61.37,14.42 IC9.2 ; 15.37,52.98 v2(15.29,52.91) 22.73,52.91 R144.1 ; 34.79,52.91 33.15,52.91 v2(33.14,52.92) ; v1(58.97,12.01) 60.07,12.01 R124.2
  Bottom w0.5: v1(45.99,29.36) 45.99,29.36 43.38,31.97 40.77,29.36 v1(40.77,29.36) ; SDCard1.9 7.08,28.77 7.13,28.82 ; SDCard1.9 5.41,33.13 SDCard1.9 ; SDCard1.9 7.06,36.5 v3(8.3,37.74) ; SDCard1.9 7.06,30.3 v2(6.78,30.02) 6.78,29.17 7.13,28.82 ; v3(17.85,31.18) 16.53,31.18 15.21,29.86 C111.2 ; 116.68,25.49 116.12,25.49 v1(115.92,25.69) v1(115.92,26.39) 115.92,27.49 C57.1 ; 7.13,28.82 8.48,27.47 SDCard1.6 ; v1(18.23,32.78) 19.21,31.8 C113.2
  Bottom w0.6: v2(28,40.2) 25.55,37.75 U28.4
  vias: v1(22.16,56.62) v1(24.02,56.68) v1(25.11,54.7) v1(26.1,49.36) v1(36.45,49.48) v1(37.13,7.79) v1(37.68,37.98) v1(37.68,36.76) v1(37.69,35.64) v1(37.68,34.49) v1(39.19,54.66) v1(39.37,47.15) v1(39.37,46.55) v1(39.97,47.15) v1(39.97,46.55) v1(40.57,47.15) v1(40.57,46.55) v1(44.77,47.29) v1(44.77,46.69) v1(44.77,46.09) v1(45.37,47.29) v1(45.37,46.69) v1(45.37,46.09) v1(45.97,47.29) v1(45.97,46.69) v1(45.97,46.09) v1(46.87,53.69) v1(47.47,54.29) v1(47.47,53.69) v1(48.07,54.29) v1(48.07,53.69) v1(53.17,38.49) v1(53.67,38.99) v1(53.69,38.02) v1(54.17,38.49) v1(54.67,38.99) v1(54.67,38.03) v1(55.17,38.49) v1(55.67,38.99) v1(55.67,37.99) v1(57.79,10.2) v1(58.76,50.09) v1(61.27,47.89) v1(61.29,46.79) v1(61.52,48.99) v1(61.97,48.39) v1(61.97,47.29) v1(62.36,48.98) v1(62.67,47.89) v1(62.67,46.79) v1(63.42,1.94) v1(63.67,42.69) v1(63.67,42.09) v1(63.67,41.49) v1(63.67,40.89) v1(63.67,40.29) v1(63.67,39.69) v1(63.67,38.49) v1(63.88,50.89) v1(65.27,13.59) v1(65.67,50.25) v1(68.98,54.61) v1(72.03,31.98) v1(72.73,31.98) v1(72.73,31.38) v1(76.02,19.19) v1(76.1,31.39) v1(76.62,19.19) v1(77.27,19.19) v1(77.36,31.44) v1(78.49,54.69) v1(79,51.98) v1(80.07,49.37) v1(80.5,51.98) v1(80.79,43.81) v1(80.87,34.39) v1(81.31,22.33) v1(81.72,49.44) v1(82.07,29.69) v1(82.25,43.78) v1(82.27,42.39) v1(82.27,41.69) v1(82.42,29.04) v1(82.97,42.39) v1(82.97,41.69) v1(83.06,49.37) v1(83.32,29.1) v1(83.5,51.98) v1(83.67,42.39) v1(83.67,41.69) v1(84.07,37.09) v1(84.67,29.09) v1(85,51.98) v1(85.12,22.78) v1(85.25,43.78) v1(85.82,29.09) v1(86.22,22.78) v1(86.5,51.98) v1(86.75,43.78) v1(87.32,22.78) v1(89.17,29.49) v1(89.17,28.89) v1(89.77,28.89) v1(90,51.98) v1(90.58,49.57) v1(91.5,51.98) v1(92.25,42.76) v1(93,51.98) v1(94,51.98) v1(95.5,51.98) v1(97,51.98) v1(98.5,51.98) v1(101.86,33.35) v1(105.5,51.98) v1(107,51.98) v1(108.27,43.66) v1(108.5,51.98) v1(110,51.98) v1(111.27,43.66) v1(111.5,51.98) v1(112.77,43.66) v1(113,51.98) v1(114.27,43.66) v1(114.5,51.98) v1(116,51.98) v1(116.4,10.59) v1(116.4,9.67) v1(116.5,21.49) v1(116.5,20.57) v1(116.87,10.09) v1(116.97,20.99) v1(117.12,26.64) v1(117.33,46.98) v1(117.37,10.59) v1(117.37,9.69) v1(117.5,51.98) v1(117.47,21.49) v1(117.47,20.59) v1(117.87,10.09) v1(117.97,20.99) v1(118.37,10.59) v1(118.33,9.69) v1(118.47,21.49) v1(118.43,20.59) v1(119,51.98) v1(120.25,46.23) v1(120.5,51.98) v1(121.75,46.23) v1(122,51.98) v1(123.5,51.98) v1(125,51.98) v1(125.89,36.57) v1(125.88,32.04) v1(125.89,27.57) v1(125.93,29.04) v1(128.13,24.55) v1(129.27,23.39) v1(133.75,32.94) v3(8.75,19.92) v3(13.89,31.7) v3(24.26,31.9) v3(26.86,30.75) v3(32.14,12.7) v3(37.85,44.32) v3(39.15,45.14) v3(57.1,44.24) v4(18.14,27.75) v4(25.5,25.31) v4(26.29,25.3) v4(27.1,25.3) v4(28.7,26.91) v4(31.11,25.36) v4(31.55,27.11)
